# Altium PCB Graviton-EC2-Simplified.PcbDoc (part 8 of 9) (continued)
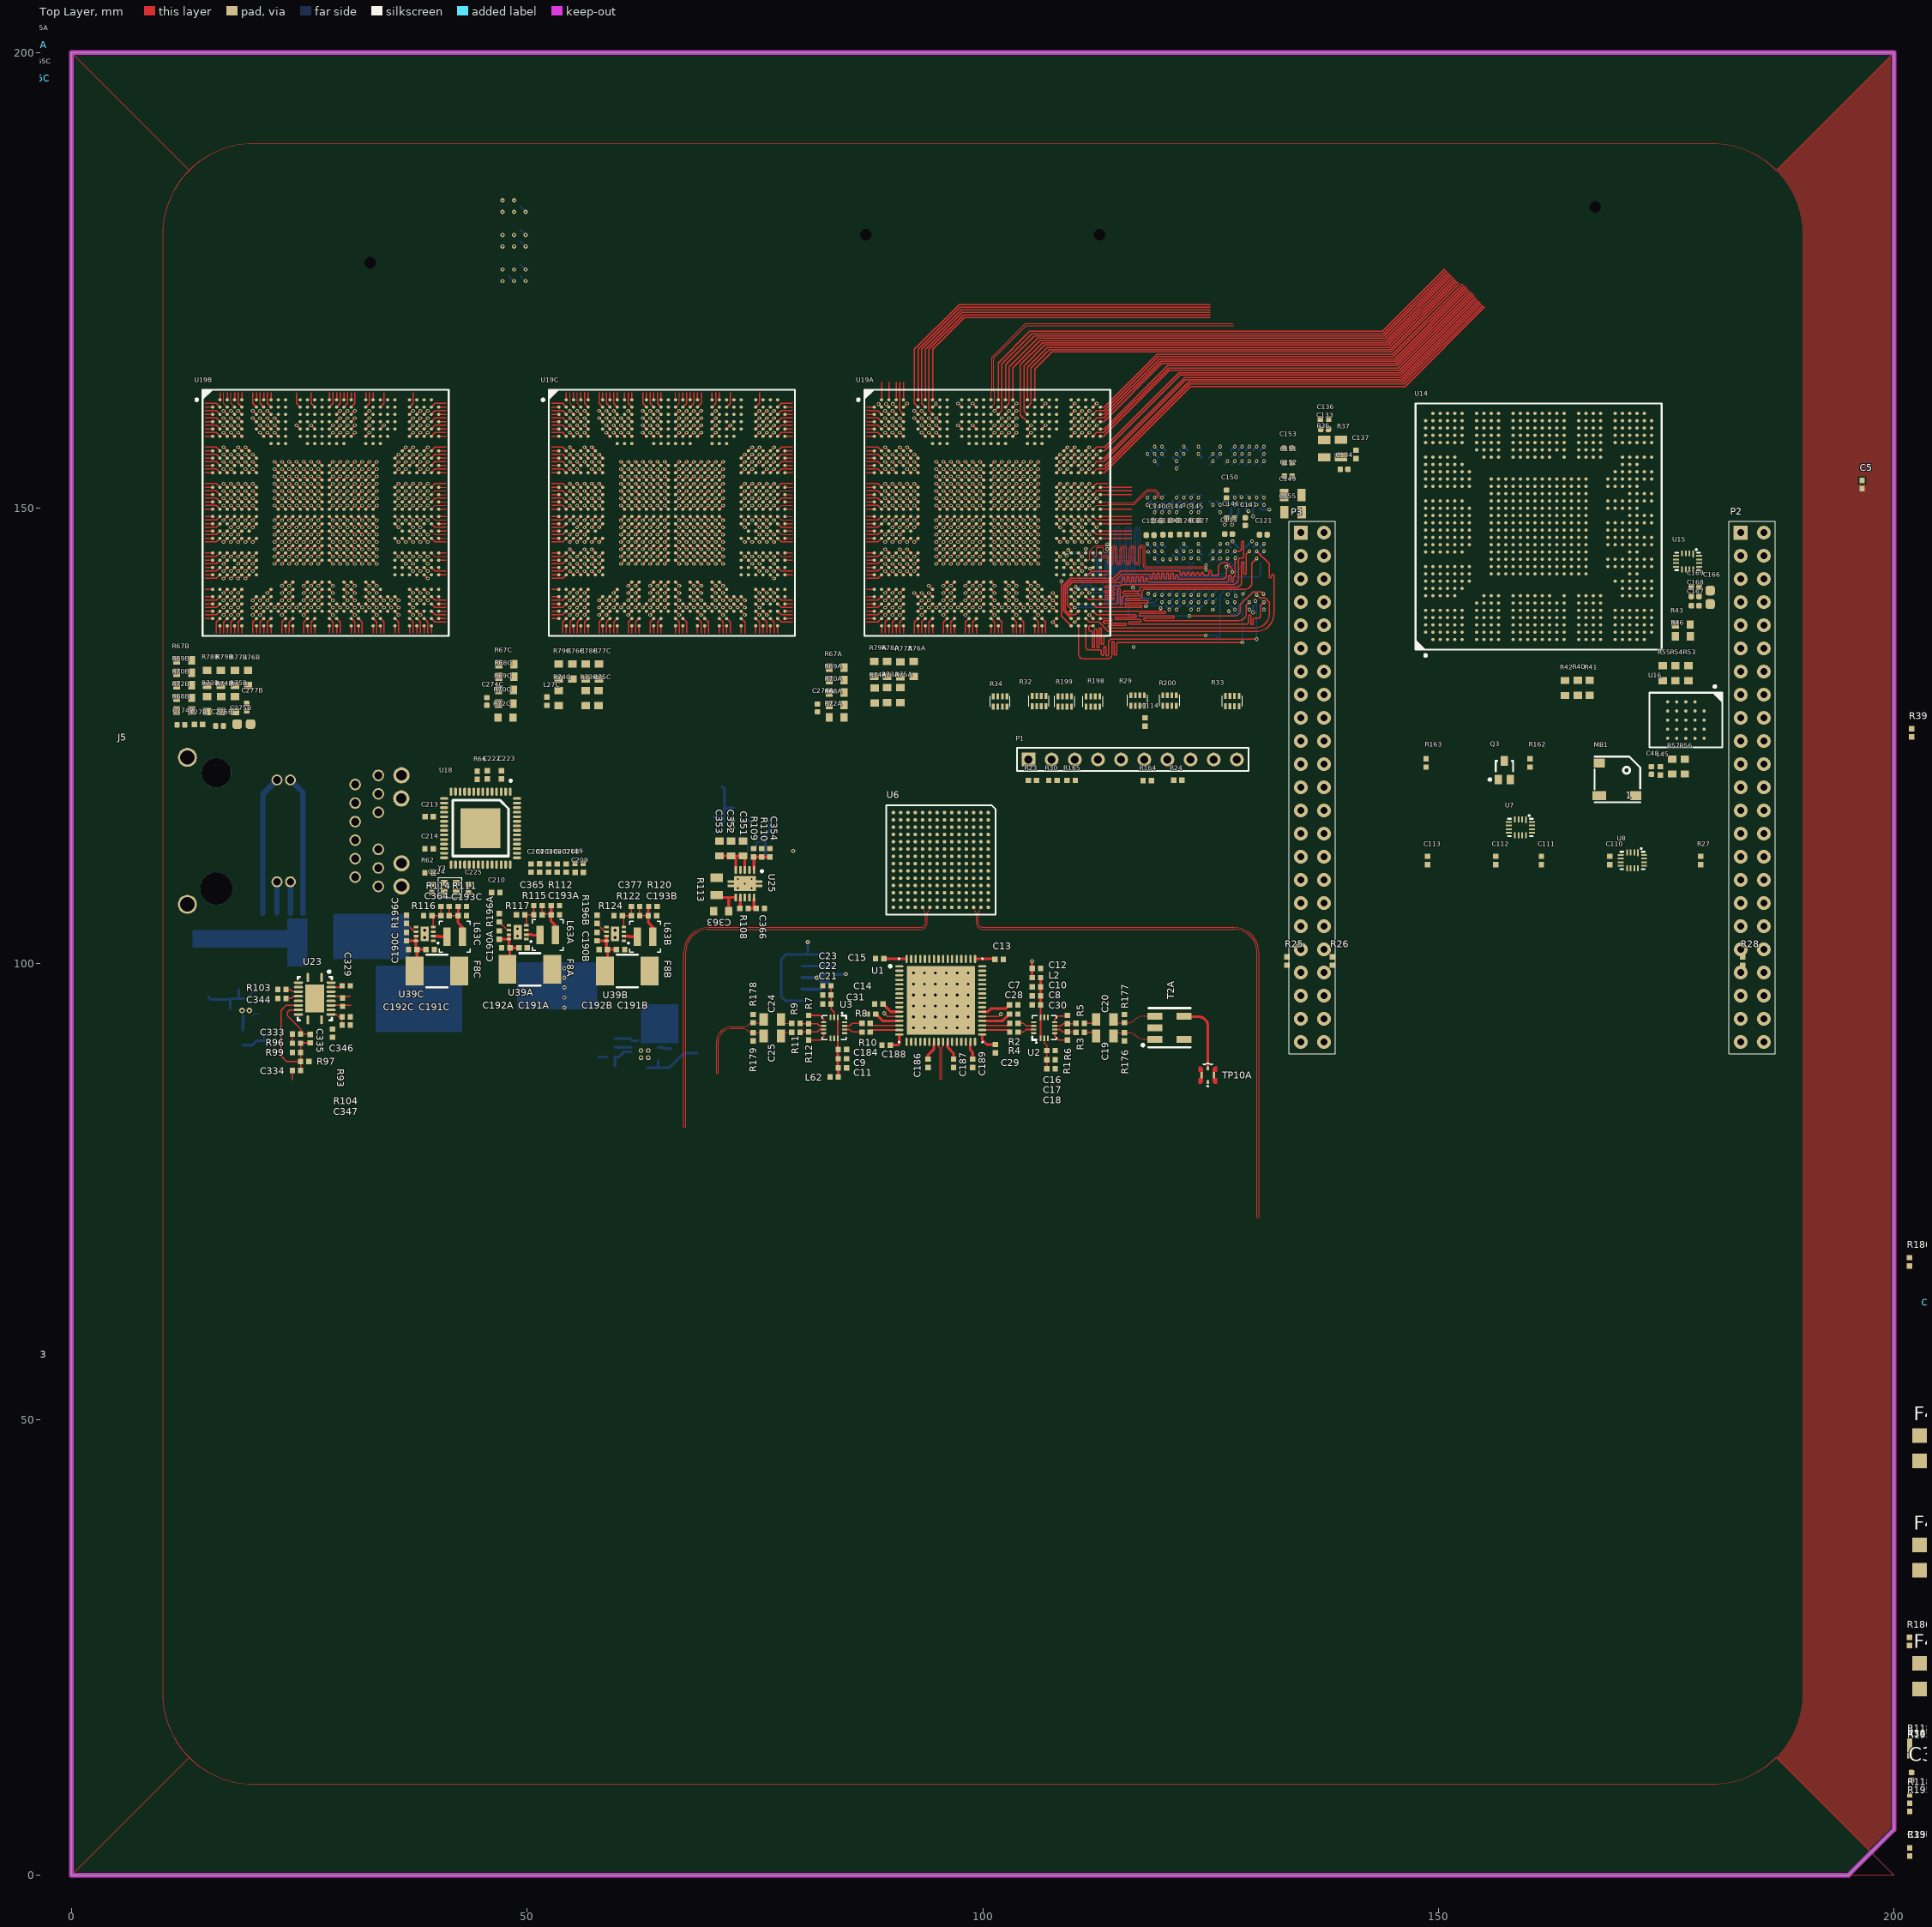
[diagram p0: Top Layer view]
## Nets (pads, with @x,y where several pads share a name; then routed paths per layer and width w, separated by ;. In a path a pad name is that pad's centre, name@x,y a point inside that pad or via, vN(x,y) a via of type N, cw(c..) or ccw(c..) an arc to the next point about the centre after c; other vN are vias at no path point) (continued)
RX2-BANK3-DDRCTRL.ODT: U19B.V26 | length 0.6
  Top Layer w0.127: U19B.V26@35.5,148.3 v1(35.9,147.9)
RX2-BANK3-DDRCTRL.RASN: U19B.Y30 | length 0.6
  Top Layer w0.127: U19B.Y30@38.7,146.7 v1(39.1,146.3)
RX2-BANK3-DDRCTRL.RSTN: U19B.T29 | length 0.6
  Top Layer w0.127: U19B.T29@37.9,149.9 v1(38.3,150.3)
RX2-BANK3-DDRCTRL.WEN: U19B.AE31
RX2-BANK3-DQ32.DQ6_G3: U19B.AD30 | length 0.6
  Top Layer w0.127: U19B.AD30@38.7,143.5 v1(39.1,143.1)
RX2-BANK3-DQ32.DQ7_G3: U19B.AE30 | length 0.6
  Top Layer w0.127: U19B.AE30@38.7,142.7 v1(39.1,142.3)
RX2-BANK3-DQS32.DQM0: U19B.T32 | length 0.8
  Top Layer w0.12: U19B.T32@40.3,149.9 41.115,149.9
RX2-BANK3-DQS32.DQM1: U19B.U32 | length 0.8
  Top Layer w0.12: U19B.U32@40.3,149.1 41.115,149.1
RX2-BANK3-DQS32.DQM2: U19B.V32 | length 0.8
  Top Layer w0.12: U19B.V32@40.3,148.3 41.115,148.3
RX2-BANK3-DQS32.DQM3: U19B.W32 | length 0.8
  Top Layer w0.12: U19B.W32@40.3,147.5 41.115,147.5
RX2-BANK3-DQS32.DQS3_N: U19B.AB31 | length 1.8
  Top Layer w0.076: U19B.AB31@39.5,145.1 39.9,144.7 41.115,144.7
RX2-BANK3-DQS32.DQS3_P: U19B.AC30 | length 0.6
  Top Layer w0.076: U19B.AC30@38.7,144.3 v1(39.1,143.9)
RX2-BANK4-DB3.B0: U19B.AH30 | length 0.6
  Top Layer w0.127: U19B.AH30@38.7,140.3 v1(39.1,139.9)
RX2-BANK4-DB3.B1: U19B.AG30 | length 0.6
  Top Layer w0.127: U19B.AG30@38.7,141.1 v1(39.1,140.7)
RX2-BANK4-DB3.B2: U19B.AK29 | length 0.6
  Top Layer w0.127: U19B.AK29@37.9,138.7 v1(38.3,138.3)
RX2-DDRCC6.S0: U19B.P5 | length 0.6
  Top Layer w0.127: v1(18.3,151.9) U19B.P5@18.7,151.5
RX2-DDRCC6.S1: U19B.P4 | length 0.6
  Top Layer w0.127: v1(17.5,151.9) U19B.P4@17.9,151.5
RX2-DDRCC6.S2: U19B.R7 | length 0.6
  Top Layer w0.127: v1(19.9,151.1) U19B.R7@20.3,150.7
RX2-DDRCC6.S3: U19B.T7 | length 0.6
  Top Layer w0.127: v1(19.9,150.3) U19B.T7@20.3,149.9
RX2-DDRCC6.S4: U19B.R6 | length 0.6
  Top Layer w0.127: v1(19.1,151.1) U19B.R6@19.5,150.7
RX2-DDRCC6.S5: U19B.T6 | length 0.6
  Top Layer w0.127: v1(19.1,150.3) U19B.T6@19.5,149.9
RX2-DDRCC6.S6: U19B.U6 | length 0.6
  Top Layer w0.127: v1(19.1,148.7) U19B.U6@19.5,149.1
RX2-DDRCC6.S7: U19B.U7 | length 0.6
  Top Layer w0.127: v1(19.9,148.7) U19B.U7@20.3,149.1
RX2-DDRCC6.S8: U19B.R4 | length 0.6
  Top Layer w0.127: v1(17.5,151.1) U19B.R4@17.9,150.7
RX2-DDRCC6.S9: U19B.T5 | length 0.6
  Top Layer w0.127: v1(18.3,150.3) U19B.T5@18.7,149.9
RX2-DDRCC6.S10: U19B.T4 | length 0.6
  Top Layer w0.127: v1(17.5,150.3) U19B.T4@17.9,149.9
RX2-DDRCC6.S11: U19B.U5 | length 0.6
  Top Layer w0.127: v1(18.3,148.7) U19B.U5@18.7,149.1
RX2-DDRCC6.S12: U19B.U4 | length 0.6
  Top Layer w0.127: v1(17.5,148.7) U19B.U4@17.9,149.1
RX2-DDRCC6.S13: U19B.V6 | length 0.6
  Top Layer w0.127: v1(19.1,147.9) U19B.V6@19.5,148.3
RX2-DDRCC6.S14: U19B.V7 | length 0.6
  Top Layer w0.127: v1(19.9,147.9) U19B.V7@20.3,148.3
RX2-DDRCC6.S15: U19B.P2 | length 1.8
  Top Layer w0.12: 14.685,151.9 15.9,151.9 U19B.P2@16.3,151.5
RX2-DDRCC6.S16: U19B.P3 | length 0.6
  Top Layer w0.127: v1(16.7,151.9) U19B.P3@17.1,151.5
RX2-DDRCC6.S40: U19B.AB6 | length 0.6
  Top Layer w0.127: v1(19.1,144.7) U19B.AB6@19.5,145.1
RX2-DDRCC6.S41: U19B.AC7 | length 0.6
  Top Layer w0.127: v1(19.9,143.9) U19B.AC7@20.3,144.3
RX2-DDRCC6.S42: U19B.AD7 | length 0.6
  Top Layer w0.127: v1(19.9,143.1) U19B.AD7@20.3,143.5
RX2-DDRCC6.S43: U19B.AD6 | length 0.6
  Top Layer w0.127: v1(19.1,143.1) U19B.AD6@19.5,143.5
RX2-DDRCC6.S44: U19B.AE6 | length 0.6
  Top Layer w0.127: v1(19.1,142.3) U19B.AE6@19.5,142.7
RX2-DDRCC6.S45: U19B.AE5 | length 0.6
  Top Layer w0.127: v1(18.3,142.3) U19B.AE5@18.7,142.7
RX2-DDRCC6.S46: U19B.AE4 | length 0.6
  Top Layer w0.127: v1(17.5,142.3) U19B.AE4@17.9,142.7
RX-SWA: R182A.1
RX-SWB: R182B.1
RXLO0_N: R192.1
RXLO0_P: R191.1
RXLO1_N: R194.1
RXLO1_P: R193.1
SDRCC0.S0B: U19B.A17 | length 0.8
  Top Layer w0.12: U19B.A17@28.3,161.9 28.3,162.715
SDRCC0.S1B: U19B.B17 | length 1.8
  Top Layer w0.12: U19B.B17@28.3,161.1 28.7,161.5 28.7,162.715
SDRCC0.S2B: U19B.A2 | length 0.8
  Top Layer w0.12: U19B.A2@16.3,161.9 16.3,162.715
SDRCC0.S3B: U19B.A3 | length 0.8
  Top Layer w0.12: U19B.A3@17.1,161.9 17.1,162.715
SDRCC0.S4B: U19B.A4 | length 0.8
  Top Layer w0.12: U19B.A4@17.9,161.9 17.9,162.715
SDRCC0.S5B: U19B.A5 | length 0.8
  Top Layer w0.12: U19B.A5@18.7,161.9 18.7,162.715
SDRCC0.S6B: U19B.D7 | length 0.6
  Top Layer w0.127: v1(19.9,159.9) U19B.D7@20.3,159.5
SDRCC0.S7B: U19B.C7 | length 0.6
  Top Layer w0.127: v1(19.9,160.7) U19B.C7@20.3,160.3
SDRCC0.S8B: U19B.B7 | length 1.8
  Top Layer w0.12: 19.9,162.715 19.9,161.5 U19B.B7@20.3,161.1
SDRCC0.S9B: U19B.A7 | length 0.8
  Top Layer w0.12: U19B.A7@20.3,161.9 20.3,162.715
SDRCC0.S10B: U19B.F8 | length 0.6
  Top Layer w0.127: v1(20.7,158.3) U19B.F8@21.1,157.9
SDRCC0.S11B: U19B.E8 | length 0.6
  Top Layer w0.127: v1(20.7,159.1) U19B.E8@21.1,158.7
SDRCC0.S12B: U19B.D8 | length 0.6
  Top Layer w0.127: v1(20.7,159.9) U19B.D8@21.1,159.5
SDRCC0.S13B: U19B.C8 | length 0.6
  Top Layer w0.127: v1(20.7,160.7) U19B.C8@21.1,160.3
SDRCC0.S14B: U19B.B8 | length 1.8
  Top Layer w0.12: 20.7,162.715 20.7,161.5 U19B.B8@21.1,161.1
SDRCC0.S15B: U19B.A8 | length 0.8
  Top Layer w0.12: U19B.A8@21.1,161.9 21.1,162.715
SDRCC0.S16B: U19B.F9 | length 0.6
  Top Layer w0.127: v1(21.5,158.3) U19B.F9@21.9,157.9
SDRCC0.S17B: U19B.D9 | length 0.6
  Top Layer w0.127: v1(21.5,159.9) U19B.D9@21.9,159.5
SDRCC0.S18B: U19B.C9 | length 0.6
  Top Layer w0.127: v1(21.5,160.7) U19B.C9@21.9,160.3
SDRCC0.S19B: U19B.A9 | length 0.8
  Top Layer w0.12: U19B.A9@21.9,161.9 21.9,162.715
SDRCC0.S20B: U19B.F10 | length 0.6
  Top Layer w0.127: v1(22.3,158.3) U19B.F10@22.7,157.9
SDRCC0.S21B: U19B.E10 | length 0.6
  Top Layer w0.127: v1(22.3,159.1) U19B.E10@22.7,158.7
SDRCC0.S22B: U19B.D10 | length 0.6
  Top Layer w0.127: v1(22.3,159.9) U19B.D10@22.7,159.5
SDRCC1.S0C: U19C.E17 | length 0.6
  Top Layer w0.127: U19C.E17@66.3,158.7 v1(66.7,159.1)
SDRCC1.S1C: U19C.F17 | length 0.6
  Top Layer w0.127: U19C.F17@66.3,157.9 v1(66.7,158.3)
SDRCC1.S2C: U19C.A18 | length 0.8
  Top Layer w0.12: U19C.A18@67.1,161.9 67.1,162.715
SDRCC1.S3C: U19C.C18 | length 0.6
  Top Layer w0.127: U19C.C18@67.1,160.3 v1(67.5,160.7)
SDRCC1.S4C: U19C.D18 | length 0.6
  Top Layer w0.127: U19C.D18@67.1,159.5 v1(67.5,159.9)
SDRCC1.S5C: U19C.F18 | length 0.6
  Top Layer w0.127: U19C.F18@67.1,157.9 v1(67.5,158.3)
SDRCC1.S6C: U19C.A19 | length 0.8
  Top Layer w0.12: U19C.A19@67.9,161.9 67.9,162.715
SDRCC1.S7C: U19C.B19 | length 1.8
  Top Layer w0.12: U19C.B19@67.9,161.1 68.3,161.5 68.3,162.715
SDRCC1.S8C: U19C.C19 | length 0.6
  Top Layer w0.127: U19C.C19@67.9,160.3 v1(68.3,160.7)
SDRCC1.S9C: U19C.D19 | length 0.6
  Top Layer w0.127: U19C.D19@67.9,159.5 v1(68.3,159.9)
SDRCC1.S10C: U19C.E19 | length 0.6
  Top Layer w0.127: U19C.E19@67.9,158.7 v1(68.3,159.1)
SDRCC1.S11C: U19C.F19 | length 0.6
  Top Layer w0.127: U19C.F19@67.9,157.9 v1(68.3,158.3)
SDRCC1.S12C: U19C.A20 | length 0.8
  Top Layer w0.12: U19C.A20@68.7,161.9 68.7,162.715
SDRCC1.S13C: U19C.C20 | length 0.6
  Top Layer w0.127: U19C.C20@68.7,160.3 v1(69.1,160.7)
SDRCC1.S14C: U19C.D20 | length 0.6
  Top Layer w0.127: U19C.D20@68.7,159.5 v1(69.1,159.9)
SDRCC1.S15C: U19C.F20 | length 0.6
  Top Layer w0.127: U19C.F20@68.7,157.9 v1(69.1,158.3)
SDRCC1.S16C: U19C.A22 | length 0.8
  Top Layer w0.12: U19C.A22@70.3,161.9 70.3,162.715
SDRCC1.S17C: U19C.B22 | length 1.8
  Top Layer w0.12: U19C.B22@70.3,161.1 70.7,161.5 70.7,162.715
SDRCC1.S18C: U19C.C22 | length 0.6
  Top Layer w0.127: U19C.C22@70.3,160.3 v1(70.7,160.7)
SDRCC1.S19C: U19C.D22 | length 0.6
  Top Layer w0.127: U19C.D22@70.3,159.5 v1(70.7,159.9)
SDRCC1.S20C: U19C.E22 | length 0.6
  Top Layer w0.127: U19C.E22@70.3,158.7 v1(70.7,159.1)
SDRCC1.S21C: U19C.F22 | length 0.6
  Top Layer w0.127: U19C.F22@70.3,157.9 v1(70.7,158.3)
SDRCC1.S22C: U19C.A23 | length 0.8
  Top Layer w0.12: U19C.A23@71.1,161.9 71.1,162.715
SPI1_CS0: P3.28
SPI1_D1: P3.30
SYNTH-CTRL.CE: P3.21
SYNTH-CTRL.CLK: P3.23
SYNTH-CTRL.DATA: P3.25
SYNTH-CTRL.LE: P3.27
SYS_5V: P3.7 P3.8
SYS_RESETN: P3.10
TPSVDD: C345.1 R94.2 U23.10
TRANSMIT: J1.253 P2.5 R185A.2 R185B.2 U19A.T3 U19B.T3 U19C.T3 | length 1.7
  Top Layer w0.127: v1(16.7,150.3) U19B.T3@17.1,149.9 ; v1(54.7,150.3) U19C.T3@55.1,149.9 ; v1(89.3,150.3) U19A.T3@89.7,149.9
TX2-BANK3-DDRCTRL.CASN: U19C.W30 | length 0.6
  Top Layer w0.127: U19C.W30@76.7,147.5 v1(77.1,147.1)
TX2-BANK3-DDRCTRL.CKE: U19C.U28 | length 0.6
  Top Layer w0.127: U19C.U28@75.1,149.1 v1(75.5,148.7)
TX2-BANK3-DDRCTRL.CLK_N: U19C.AC32 | length 0.8
  Top Layer w0.12: U19C.AC32@78.3,144.3 79.115,144.3
TX2-BANK3-DDRCTRL.CLK_P: U19C.AB32 | length 0.8
  Top Layer w0.12: U19C.AB32@78.3,145.1 79.115,145.1
TX2-BANK3-DDRCTRL.CSN: U19C.U29 | length 0.6
  Top Layer w0.127: U19C.U29@75.9,149.1 v1(76.3,148.7)
TX2-BANK3-DDRCTRL.ODT: U19C.V26 | length 0.6
  Top Layer w0.127: U19C.V26@73.5,148.3 v1(73.9,147.9)
TX2-BANK3-DDRCTRL.RASN: U19C.Y30 | length 0.6
  Top Layer w0.127: U19C.Y30@76.7,146.7 v1(77.1,146.3)
TX2-BANK3-DDRCTRL.RSTN: U19C.T29 | length 0.6
  Top Layer w0.127: U19C.T29@75.9,149.9 v1(76.3,150.3)
TX2-BANK3-DDRCTRL.WEN: U19C.AE31
TX2-BANK3-DQS32.DQM2: U19C.V32 | length 0.8
  Top Layer w0.12: U19C.V32@78.3,148.3 79.115,148.3
TX2-BANK3-DQS32.DQM3: U19C.W32 | length 0.8
  Top Layer w0.12: U19C.W32@78.3,147.5 79.115,147.5
TX2-BANK4-DA16.A0: U19C.AM28 | length 0.8
  Top Layer w0.12: 75.1,136.285 U19C.AM28@75.1,137.1
TX2-BANK4-DA16.A1: U19C.AM29 | length 0.8
  Top Layer w0.12: 75.9,136.285 U19C.AM29@75.9,137.1
TX2-BANK4-DA16.A2: U19C.AL28 | length 1.8
  Top Layer w0.12: U19C.AL28@75.1,137.9 75.5,137.5 75.5,136.285
TX2-BANK4-DA16.A3: U19C.AK28 | length 0.6
  Top Layer w0.127: U19C.AK28@75.1,138.7 v1(75.5,138.3)
TX2-BANK4-DA16.A4: U19C.AK32 | length 0.8
  Top Layer w0.12: U19C.AK32@78.3,138.7 79.115,138.7
TX2-BANK4-DA16.A5: U19C.AJ32 | length 0.8
  Top Layer w0.12: U19C.AJ32@78.3,139.5 79.115,139.5
TX2-BANK4-DA16.A6: U19C.AM30 | length 0.8
  Top Layer w0.12: 76.7,136.285 U19C.AM30@76.7,137.1
TX2-BANK4-DA16.A7: U19C.AL30 | length 1.8
  Top Layer w0.12: U19C.AL30@76.7,137.9 77.1,137.5 77.1,136.285
TX2-BANK4-DA16.A8: U19C.AK31 | length 1.8
  Top Layer w0.12: U19C.AK31@77.5,138.7 77.9,138.3 79.115,138.3
TX2-BANK4-DA16.A9: U19C.AJ31 | length 1.8
  Top Layer w0.12: U19C.AJ31@77.5,139.5 77.9,139.1 79.115,139.1
TX2-BANK4-DA16.A10: U19C.AM31 | length 0.8
  Top Layer w0.12: 77.5,136.285 U19C.AM31@77.5,137.1
TX2-BANK4-DA16.A11: U19C.AL32 | length 0.8
  Top Layer w0.12: U19C.AL32@78.3,137.9 79.115,137.9
TX2-BANK4-DA16.A12: U19C.AG28 | length 0.6
  Top Layer w0.127: U19C.AG28@75.1,141.1 v1(75.5,140.7)
TX2-BANK4-DA16.A13: U19C.AG29 | length 0.6
  Top Layer w0.127: U19C.AG29@75.9,141.1 v1(76.3,140.7)
TX2-BANK4-DA16.A14: U19C.AJ28 | length 0.6
  Top Layer w0.127: U19C.AJ28@75.1,139.5 v1(75.5,139.1)
TX2-BANK4-DA16.A15: U19C.AH28 | length 0.6
  Top Layer w0.127: U19C.AH28@75.1,140.3 v1(75.5,139.9)
TX2-BANK4-DB3.B0: U19C.AH30 | length 0.6
  Top Layer w0.127: U19C.AH30@76.7,140.3 v1(77.1,139.9)
TX2-BANK4-DB3.B1: U19C.AG30 | length 0.6
  Top Layer w0.127: U19C.AG30@76.7,141.1 v1(77.1,140.7)
TX2-BANK4-DB3.B2: U19C.AK29 | length 0.6
  Top Layer w0.127: U19C.AK29@75.9,138.7 v1(76.3,138.3)
TX2-DDRCC6.S0: U19C.P5 | length 0.6
  Top Layer w0.127: v1(56.3,151.9) U19C.P5@56.7,151.5
TX2-DDRCC6.S1: U19C.P4 | length 0.6
  Top Layer w0.127: v1(55.5,151.9) U19C.P4@55.9,151.5
TX2-DDRCC6.S2: U19C.R7 | length 0.6
  Top Layer w0.127: v1(57.9,151.1) U19C.R7@58.3,150.7
TX2-DDRCC6.S3: U19C.T7 | length 0.6
  Top Layer w0.127: v1(57.9,150.3) U19C.T7@58.3,149.9
TX2-DDRCC6.S4: U19C.R6 | length 0.6
  Top Layer w0.127: v1(57.1,151.1) U19C.R6@57.5,150.7
TX2-DDRCC6.S5: U19C.T6 | length 0.6
  Top Layer w0.127: v1(57.1,150.3) U19C.T6@57.5,149.9
TX2-DDRCC6.S6: U19C.U6 | length 0.6
  Top Layer w0.127: v1(57.1,148.7) U19C.U6@57.5,149.1
TX2-DDRCC6.S7: U19C.U7 | length 0.6
  Top Layer w0.127: v1(57.9,148.7) U19C.U7@58.3,149.1
TX2-DDRCC6.S8: U19C.R4 | length 0.6
  Top Layer w0.127: v1(55.5,151.1) U19C.R4@55.9,150.7
TX2-DDRCC6.S9: U19C.T5 | length 0.6
  Top Layer w0.127: v1(56.3,150.3) U19C.T5@56.7,149.9
TX2-DDRCC6.S10: U19C.T4 | length 0.6
  Top Layer w0.127: v1(55.5,150.3) U19C.T4@55.9,149.9
TX2-DDRCC6.S11: U19C.U5 | length 0.6
  Top Layer w0.127: v1(56.3,148.7) U19C.U5@56.7,149.1
TX2-DDRCC6.S12: U19C.U4 | length 0.6
  Top Layer w0.127: v1(55.5,148.7) U19C.U4@55.9,149.1
TX2-DDRCC6.S13: U19C.V6 | length 0.6
  Top Layer w0.127: v1(57.1,147.9) U19C.V6@57.5,148.3
TX2-DDRCC6.S14: U19C.V7 | length 0.6
  Top Layer w0.127: v1(57.9,147.9) U19C.V7@58.3,148.3
TX2-DDRCC6.S15: U19C.P2 | length 1.8
  Top Layer w0.12: 52.685,151.9 53.9,151.9 U19C.P2@54.3,151.5
TX2-DDRCC6.S16: U19C.P3 | length 0.6
  Top Layer w0.127: v1(54.7,151.9) U19C.P3@55.1,151.5
TX2-DDRCC6.S40: U19C.AB6 | length 0.6
  Top Layer w0.127: v1(57.1,145.5) U19C.AB6@57.5,145.1
TX2-DDRCC6.S41: U19C.AC7 | length 0.6
  Top Layer w0.127: v1(57.9,143.9) U19C.AC7@58.3,144.3
TX2-DDRCC6.S42: U19C.AD7 | length 0.6
  Top Layer w0.127: v1(57.9,143.1) U19C.AD7@58.3,143.5
TX2-DDRCC6.S43: U19C.AD6 | length 0.6
  Top Layer w0.127: v1(57.1,143.9) U19C.AD6@57.5,143.5
TX2-DDRCC6.S44: U19C.AE6 | length 0.6
  Top Layer w0.127: v1(57.1,143.1) U19C.AE6@57.5,142.7
TX2-DDRCC6.S45: U19C.AE5 | length 0.6
  Top Layer w0.127: v1(56.3,143.1) U19C.AE5@56.7,142.7
TX2-DDRCC6.S46: U19C.AE4 | length 0.6
  Top Layer w0.127: v1(55.5,143.1) U19C.AE4@55.9,142.7
TX-SWA: R186A.1
TX-SWB: R186B.1
TXBBICA_N: 
TXBBICA_P: 
TXBBICB_N: 
TXBBICB_P: 
TXLO0_N: R188.1
TXLO0_P: R143.1
TXLO1_N: R189.1
TXLO1_P: R190.1
TXLOICA_N: 
TXLOICA_P: 
TXLOICB_N: 
TXLOICB_P: 
TXPA-INA: 
TXPA-INB: 
TXPA-INC: 
TXPA-IND: 
UART0-RX: P2.18
UART0-TX: P2.17
V0V75: U19A.J7 U19B.J7 U19C.J7 | length 1.7
  Top Layer w0.127: v1(19.9,155.9) U19B.J7@20.3,155.5 ; v1(57.9,155.9) U19C.J7@58.3,155.5 ; v1(92.5,155.9) U19A.J7@92.9,155.5
VCC-CORE: C172.2 C173.2 C174.2 C175.2 C176.2 C177.2 C178.2 C179.2 C180.2 C181.2 C182.2 C183.2 L18.2 U14.AA12 U14.AA13 U14.AA14 U14.AA15 U14.AA16 U14.AA17 U14.AA18 U14.AA19 U14.AA20 U14.AA21 U14.M12 U14.M13 U14.M14 U14.M15 U14.M16 U14.M17 U14.M18 U14.M19 U14.M20 U14.M21 U14.N12 U14.N21 U14.P12 U14.P21 U14.R12 U14.R21 U14.T12 U14.T21 U14.U12 U14.U21 U14.V12 U14.V21 U14.W12 U14.W21 U14.Y12 U14.Y21
VCC-COREA: C279A.2 C284A.2 C285A.2 C286A.2 C287A.2 C288A.2 C289A.2 C290A.2 C291A.2 C292A.2 C293A.2 C294A.2 L28A.2 U19A.AA12 U19A.AA13 U19A.AA14 U19A.AA15 U19A.AA16 U19A.AA17 U19A.AA18 U19A.AA19 U19A.AA20 U19A.AA21 U19A.M12 U19A.M13 U19A.M14 U19A.M15 U19A.M16 U19A.M17 U19A.M18 U19A.M19 U19A.M20 U19A.M21 U19A.N12 U19A.N21 U19A.P12 U19A.P21 U19A.R12 U19A.R21 U19A.T12 U19A.T21 U19A.U12 U19A.U21 U19A.V12 U19A.V21 U19A.W12 U19A.W21 U19A.Y12 U19A.Y21 | length 20.4
  Top Layer w0.127: v1(96.5,145.5) U19A.AA12@96.9,145.9 ; v1(96.5,146.3) U19A.Y12@96.9,146.7 ; v1(96.5,147.1) U19A.W12@96.9,147.5 ; v1(96.5,147.9) U19A.V12@96.9,148.3 ; v1(96.5,148.7) U19A.U12@96.9,149.1 ; v1(96.5,150.3) U19A.T12@96.9,149.9 ; v1(96.5,151.1) U19A.R12@96.9,150.7 ; v1(96.5,151.9) U19A.P12@96.9,151.5 ; v1(96.5,152.7) U19A.N12@96.9,152.3 ; v1(96.5,153.5) U19A.M12@96.9,153.1 ; v1(97.3,145.5) U19A.AA13@97.7,145.9 ; v1(97.3,153.5) U19A.M13@97.7,153.1 ; v1(98.1,145.5) U19A.AA14@98.5,145.9 ; v1(98.1,153.5) U19A.M14@98.5,153.1 ; v1(98.9,145.5) U19A.AA15@99.3,145.9 ; v1(98.9,153.5) U19A.M15@99.3,153.1 ; v1(99.7,145.5) U19A.AA16@100.1,145.9 ; v1(99.7,153.5) U19A.M16@100.1,153.1 ; U19A.AA17@100.9,145.9 v1(101.3,145.5) ; U19A.M17@100.9,153.1 v1(101.3,153.5) ; U19A.AA18@101.7,145.9 v1(102.1,145.5) ; U19A.M18@101.7,153.1 v1(102.1,153.5) ; U19A.AA19@102.5,145.9 v1(102.9,145.5) ; U19A.M19@102.5,153.1 v1(102.9,153.5) ; U19A.AA20@103.3,145.9 v1(103.7,145.5) ; U19A.M20@103.3,153.1 v1(103.7,153.5) ; U19A.AA21@104.1,145.9 v1(104.5,145.5) ; U19A.Y21@104.1,146.7 v1(104.5,146.3) ; U19A.W21@104.1,147.5 v1(104.5,147.1) ; U19A.V21@104.1,148.3 v1(104.5,147.9) ; U19A.U21@104.1,149.1 v1(104.5,148.7) ; U19A.T21@104.1,149.9 v1(104.5,150.3) ; U19A.R21@104.1,150.7 v1(104.5,151.1) ; U19A.P21@104.1,151.5 v1(104.5,151.9) ; U19A.N21@104.1,152.3 v1(104.5,152.7) ; U19A.M21@104.1,153.1 v1(104.5,153.5)
VCC-COREB: C279B.2 C284B.2 C285B.2 C286B.2 C287B.2 C288B.2 C289B.2 C290B.2 C291B.2 C292B.2 C293B.2 C294B.2 L28B.2 U19B.AA12 U19B.AA13 U19B.AA14 U19B.AA15 U19B.AA16 U19B.AA17 U19B.AA18 U19B.AA19 U19B.AA20 U19B.AA21 U19B.M12 U19B.M13 U19B.M14 U19B.M15 U19B.M16 U19B.M17 U19B.M18 U19B.M19 U19B.M20 U19B.M21 U19B.N12 U19B.N21 U19B.P12 U19B.P21 U19B.R12 U19B.R21 U19B.T12 U19B.T21 U19B.U12 U19B.U21 U19B.V12 U19B.V21 U19B.W12 U19B.W21 U19B.Y12 U19B.Y21 | length 20.4
  Top Layer w0.254: v1(23.9,145.5) U19B.AA12@24.3,145.9 ; v1(23.9,146.3) U19B.Y12@24.3,146.7 ; v1(23.9,147.1) U19B.W12@24.3,147.5 ; v1(23.9,147.9) U19B.V12@24.3,148.3 ; v1(23.9,148.7) U19B.U12@24.3,149.1 ; v1(23.9,150.3) U19B.T12@24.3,149.9 ; v1(23.9,151.1) U19B.R12@24.3,150.7 ; v1(23.9,151.9) U19B.P12@24.3,151.5 ; v1(23.9,152.7) U19B.N12@24.3,152.3 ; v1(23.9,153.5) U19B.M12@24.3,153.1 ; v1(24.7,145.5) U19B.AA13@25.1,145.9 ; v1(24.7,153.5) U19B.M13@25.1,153.1 ; v1(25.5,145.5) U19B.AA14@25.9,145.9 ; v1(25.5,153.5) U19B.M14@25.9,153.1 ; v1(26.3,145.5) U19B.AA15@26.7,145.9 ; v1(26.3,153.5) U19B.M15@26.7,153.1 ; v1(27.1,145.5) U19B.AA16@27.5,145.9 ; v1(27.1,153.5) U19B.M16@27.5,153.1 ; U19B.AA17@28.3,145.9 v1(28.7,145.5) ; U19B.M17@28.3,153.1 v1(28.7,153.5) ; U19B.AA18@29.1,145.9 v1(29.5,145.5) ; U19B.M18@29.1,153.1 v1(29.5,153.5) ; U19B.AA19@29.9,145.9 v1(30.3,145.5) ; U19B.M19@29.9,153.1 v1(30.3,153.5) ; U19B.AA20@30.7,145.9 v1(31.1,145.5) ; U19B.M20@30.7,153.1 v1(31.1,153.5) ; U19B.AA21@31.5,145.9 v1(31.9,145.5) ; U19B.Y21@31.5,146.7 v1(31.9,146.3) ; U19B.W21@31.5,147.5 v1(31.9,147.1) ; U19B.V21@31.5,148.3 v1(31.9,147.9) ; U19B.U21@31.5,149.1 v1(31.9,148.7) ; U19B.T21@31.5,149.9 v1(31.9,150.3) ; U19B.R21@31.5,150.7 v1(31.9,151.1) ; U19B.P21@31.5,151.5 v1(31.9,151.9) ; U19B.N21@31.5,152.3 v1(31.9,152.7) ; U19B.M21@31.5,153.1 v1(31.9,153.5)
VCC-COREC: C279C.2 C284C.2 C285C.2 C286C.2 C287C.2 C288C.2 C289C.2 C290C.2 C291C.2 C292C.2 C293C.2 C294C.2 L28C.2 U19C.AA12 U19C.AA13 U19C.AA14 U19C.AA15 U19C.AA16 U19C.AA17 U19C.AA18 U19C.AA19 U19C.AA20 U19C.AA21 U19C.M12 U19C.M13 U19C.M14 U19C.M15 U19C.M16 U19C.M17 U19C.M18 U19C.M19 U19C.M20 U19C.M21 U19C.N12 U19C.N21 U19C.P12 U19C.P21 U19C.R12 U19C.R21 U19C.T12 U19C.T21 U19C.U12 U19C.U21 U19C.V12 U19C.V21 U19C.W12 U19C.W21 U19C.Y12 U19C.Y21 | length 20.4
  Top Layer w0.254: v1(61.9,145.5) U19C.AA12@62.3,145.9 ; v1(61.9,146.3) U19C.Y12@62.3,146.7 ; v1(61.9,147.1) U19C.W12@62.3,147.5 ; v1(61.9,147.9) U19C.V12@62.3,148.3 ; v1(61.9,148.7) U19C.U12@62.3,149.1 ; v1(61.9,150.3) U19C.T12@62.3,149.9 ; v1(61.9,151.1) U19C.R12@62.3,150.7 ; v1(61.9,151.9) U19C.P12@62.3,151.5 ; v1(61.9,152.7) U19C.N12@62.3,152.3 ; v1(61.9,153.5) U19C.M12@62.3,153.1 ; v1(62.7,145.5) U19C.AA13@63.1,145.9 ; v1(62.7,153.5) U19C.M13@63.1,153.1 ; v1(63.5,145.5) U19C.AA14@63.9,145.9 ; v1(63.5,153.5) U19C.M14@63.9,153.1 ; v1(64.3,145.5) U19C.AA15@64.7,145.9 ; v1(64.3,153.5) U19C.M15@64.7,153.1 ; v1(65.1,145.5) U19C.AA16@65.5,145.9 ; v1(65.1,153.5) U19C.M16@65.5,153.1 ; U19C.AA17@66.3,145.9 v1(66.7,145.5) ; U19C.M17@66.3,153.1 v1(66.7,153.5) ; U19C.AA18@67.1,145.9 v1(67.5,145.5) ; U19C.M18@67.1,153.1 v1(67.5,153.5) ; U19C.AA19@67.9,145.9 v1(68.3,145.5) ; U19C.M19@67.9,153.1 v1(68.3,153.5) ; U19C.AA20@68.7,145.9 v1(69.1,145.5) ; U19C.M20@68.7,153.1 v1(69.1,153.5) ; U19C.AA21@69.5,145.9 v1(69.9,145.5) ; U19C.Y21@69.5,146.7 v1(69.9,146.3) ; U19C.W21@69.5,147.5 v1(69.9,147.1) ; U19C.V21@69.5,148.3 v1(69.9,147.9) ; U19C.U21@69.5,149.1 v1(69.9,148.7) ; U19C.T21@69.5,149.9 v1(69.9,150.3) ; U19C.R21@69.5,150.7 v1(69.9,151.1) ; U19C.P21@69.5,151.5 v1(69.9,151.9) ; U19C.N21@69.5,152.3 v1(69.9,152.7) ; U19C.M21@69.5,153.1 v1(69.9,153.5)
VCCIO0A: C227A.2 C228A.2 C229A.2 C230A.2 C231A.2 L20A.1 U19A.K12 U19A.K14 U19A.K15 U19A.K16 | length 2.3
  Top Layer w0.127: v1(96.5,155.1) U19A.K12@96.9,154.7 ; v1(98.1,155.1) U19A.K14@98.5,154.7 ; v1(98.9,155.1) U19A.K15@99.3,154.7 ; v1(99.7,155.1) U19A.K16@100.1,154.7
VCCIO0B: C227B.2 C228B.2 C229B.2 C230B.2 C231B.2 L20B.1 U19B.K12 U19B.K14 U19B.K15 U19B.K16 | length 2.3
  Top Layer w0.127: v1(23.9,155.1) U19B.K12@24.3,154.7 ; v1(25.5,155.1) U19B.K14@25.9,154.7 ; v1(26.3,155.1) U19B.K15@26.7,154.7 ; v1(27.1,155.1) U19B.K16@27.5,154.7
VCCIO0C: C227C.2 C228C.2 C229C.2 C230C.2 C231C.2 L20C.1 U19C.K12 U19C.K14 U19C.K15 U19C.K16 | length 2.3
  Top Layer w0.127: v1(61.9,155.1) U19C.K12@62.3,154.7 ; v1(63.5,155.1) U19C.K14@63.9,154.7 ; v1(64.3,155.1) U19C.K15@64.7,154.7 ; v1(65.1,155.1) U19C.K16@65.5,154.7
VCCIO1A: C233A.2 C234A.2 C235A.2 C236A.2 C237A.2 L21A.1 U19A.K17 U19A.K18 U19A.K19 U19A.K21 | length 2.3
  Top Layer w0.127: U19A.K17@100.9,154.7 v1(101.3,155.1) ; U19A.K18@101.7,154.7 v1(102.1,155.1) ; U19A.K19@102.5,154.7 v1(102.9,155.1) ; U19A.K21@104.1,154.7 v1(104.5,155.1)
VCCIO1B: C233B.2 C234B.2 C235B.2 C236B.2 C237B.2 L21B.1 U19B.K17 U19B.K18 U19B.K19 U19B.K21 | length 2.3
  Top Layer w0.127: U19B.K17@28.3,154.7 v1(28.7,155.1) ; U19B.K18@29.1,154.7 v1(29.5,155.1) ; U19B.K19@29.9,154.7 v1(30.3,155.1) ; U19B.K21@31.5,154.7 v1(31.9,155.1)
VCCIO1C: C233C.2 C234C.2 C235C.2 C236C.2 C237C.2 L21C.1 U19C.K17 U19C.K18 U19C.K19 U19C.K21 | length 2.3
  Top Layer w0.127: U19C.K17@66.3,154.7 v1(66.7,155.1) ; U19C.K18@67.1,154.7 v1(67.5,155.1) ; U19C.K19@67.9,154.7 v1(68.3,155.1) ; U19C.K21@69.5,154.7 v1(69.9,155.1)
VCCIO2: C161.2 C162.2 C163.2 C164.2 C165.2 L17.1 U14.M23 U14.P23 U14.R23 U14.T23
VCCIO2A: C239A.2 C240A.2 C241A.2 C242A.2 C243A.2 L22A.1 U19A.M23 U19A.P23 U19A.R23 U19A.T23 | length 2.3
  Top Layer w0.127: U19A.T23@105.7,149.9 v1(106.1,150.3) ; U19A.R23@105.7,150.7 v1(106.1,151.1) ; U19A.P23@105.7,151.5 v1(106.1,151.9) ; U19A.M23@105.7,153.1 v1(106.1,153.5)
VCCIO2B: C239B.2 C240B.2 C241B.2 C242B.2 C243B.2 L22B.1 U19B.M23 U19B.P23 U19B.R23 U19B.T23 | length 2.3
  Top Layer w0.127: U19B.T23@33.1,149.9 v1(33.5,150.3) ; U19B.R23@33.1,150.7 v1(33.5,151.1) ; U19B.P23@33.1,151.5 v1(33.5,151.9) ; U19B.M23@33.1,153.1 v1(33.5,153.5)
VCCIO2C: C239C.2 C240C.2 C241C.2 C242C.2 C243C.2 L22C.1 U19C.M23 U19C.P23 U19C.R23 U19C.T23 | length 2.3
  Top Layer w0.127: U19C.T23@71.1,149.9 v1(71.5,150.3) ; U19C.R23@71.1,150.7 v1(71.5,151.1) ; U19C.P23@71.1,151.5 v1(71.5,151.9) ; U19C.M23@71.1,153.1 v1(71.5,153.5)
VCCIO3A: C247A.2 C248A.2 C249A.2 C250A.2 C251A.2 L23A.1 U19A.AA23 U19A.U23 U19A.V23 U19A.W23 | length 2.3
  Top Layer w0.127: U19A.AA23@105.7,145.9 v1(106.1,145.5) ; U19A.W23@105.7,147.5 v1(106.1,147.1) ; U19A.V23@105.7,148.3 v1(106.1,147.9) ; U19A.U23@105.7,149.1 v1(106.1,148.7)
VCCIO3B: C247B.2 C248B.2 C249B.2 C250B.2 C251B.2 L23B.1 U19B.AA23 U19B.U23 U19B.V23 U19B.W23 | length 2.3
  Top Layer w0.127: U19B.AA23@33.1,145.9 v1(33.5,145.5) ; U19B.W23@33.1,147.5 v1(33.5,147.1) ; U19B.V23@33.1,148.3 v1(33.5,147.9) ; U19B.U23@33.1,149.1 v1(33.5,148.7)
VCCIO3C: C247C.2 C248C.2 C249C.2 C250C.2 C251C.2 L23C.1 U19C.AA23 U19C.U23 U19C.V23 U19C.W23 | length 2.3
  Top Layer w0.127: U19C.AA23@71.1,145.9 v1(71.5,145.5) ; U19C.W23@71.1,147.5 v1(71.5,147.1) ; U19C.V23@71.1,148.3 v1(71.5,147.9) ; U19C.U23@71.1,149.1 v1(71.5,148.7)
VCCIO4A: C255A.2 C256A.2 C257A.2 L24A.1 U19A.AB23 U19A.AC23 | length 1.1
  Top Layer w0.127: U19A.AC23@105.7,144.3 v1(106.1,143.9) ; U19A.AB23@105.7,145.1 v1(106.1,144.7)
VCCIO4B: C255B.2 C256B.2 C257B.2 L24B.1 U19B.AB23 U19B.AC23 | length 1.1
  Top Layer w0.127: U19B.AC23@33.1,144.3 v1(33.5,143.9) ; U19B.AB23@33.1,145.1 v1(33.5,144.7)
VCCIO4C: C255C.2 C256C.2 C257C.2 L24C.1 U19C.AB23 U19C.AC23 | length 1.1
  Top Layer w0.127: U19C.AC23@71.1,144.3 v1(71.5,143.9) ; U19C.AB23@71.1,145.1 v1(71.5,144.7)
VCCIO6A: C259A.2 C260A.2 C261A.2 C262A.2 C263A.2 L25A.1 U19A.AA10 U19A.U10 U19A.V10 U19A.W10 | length 2.3
  Top Layer w0.127: v1(94.9,145.5) U19A.AA10@95.3,145.9 ; v1(94.9,147.1) U19A.W10@95.3,147.5 ; v1(94.9,147.9) U19A.V10@95.3,148.3 ; v1(94.9,148.7) U19A.U10@95.3,149.1
VCCIO6B: C259B.2 C260B.2 C261B.2 C262B.2 C263B.2 L25B.1 U19B.AA10 U19B.U10 U19B.V10 U19B.W10 | length 2.3
  Top Layer w0.127: v1(22.3,145.5) U19B.AA10@22.7,145.9 ; v1(22.3,147.1) U19B.W10@22.7,147.5 ; v1(22.3,147.9) U19B.V10@22.7,148.3 ; v1(22.3,148.7) U19B.U10@22.7,149.1
VCCIO6C: C259C.2 C260C.2 C261C.2 C262C.2 C263C.2 L25C.1 U19C.AA10 U19C.U10 U19C.V10 U19C.W10 | length 2.3
  Top Layer w0.127: v1(60.3,145.5) U19C.AA10@60.7,145.9 ; v1(60.3,147.1) U19C.W10@60.7,147.5 ; v1(60.3,147.9) U19C.V10@60.7,148.3 ; v1(60.3,148.7) U19C.U10@60.7,149.1
VCCIO7A: C267A.2 C268A.2 C269A.2 C270A.2 C271A.2 L26A.1 U19A.M10 U19A.P10 U19A.R10 U19A.T10 | length 2.3
  Top Layer w0.127: v1(94.9,150.3) U19A.T10@95.3,149.9 ; v1(94.9,151.1) U19A.R10@95.3,150.7 ; v1(94.9,151.9) U19A.P10@95.3,151.5 ; v1(94.9,153.5) U19A.M10@95.3,153.1
VCCIO7B: C267B.2 C268B.2 C269B.2 C270B.2 C271B.2 L26B.1 U19B.M10 U19B.P10 U19B.R10 U19B.T10 | length 2.3
  Top Layer w0.127: v1(22.3,150.3) U19B.T10@22.7,149.9 ; v1(22.3,151.1) U19B.R10@22.7,150.7 ; v1(22.3,151.9) U19B.P10@22.7,151.5 ; v1(22.3,153.5) U19B.M10@22.7,153.1
VCCIO7C: C267C.2 C268C.2 C269C.2 C270C.2 C271C.2 L26C.1 U19C.M10 U19C.P10 U19C.R10 U19C.T10 | length 2.3
  Top Layer w0.127: v1(60.3,150.3) U19C.T10@60.7,149.9 ; v1(60.3,151.1) U19C.R10@60.7,150.7 ; v1(60.3,151.9) U19C.P10@60.7,151.5 ; v1(60.3,153.5) U19C.M10@60.7,153.1
VCCIO8: C166.2 C167.2 C168.2 C169.2 C370.2 F2.1 L45.2 R40.2 R41.2 R42.2 R44.2 R45.2 R46.2 R47.2 R48.2 R49.2 R53.2 R54.2 R55.2 R56.2 R57.2 U14.AB10 U14.AC10 U15.13 U16.B4 U22.13
VCCIO8A: C275A.2 C276A.2 C277A.2 F4A.1 L27A.1 R73A.2 R74A.2 R75A.2 U19A.AB10 U19A.AC10 | length 1.1
  Top Layer w0.127: v1(94.9,143.9) U19A.AC10@95.3,144.3 ; v1(94.9,144.7) U19A.AB10@95.3,145.1
VCCIO8B: C275B.2 C276B.2 C277B.2 F4B.1 L27B.1 R73B.2 R74B.2 R75B.2 U19B.AB10 U19B.AC10 | length 1.1
  Top Layer w0.127: v1(22.3,143.9) U19B.AC10@22.7,144.3 ; v1(22.3,144.7) U19B.AB10@22.7,145.1
VCCIO8C: C275C.2 C276C.2 C277C.2 F4C.1 L27C.1 R73C.2 R74C.2 R75C.2 U19C.AB10 U19C.AC10 | length 1.1
  Top Layer w0.127: v1(60.3,143.9) U19C.AC10@60.7,144.3 ; v1(60.3,144.7) U19C.AB10@60.7,145.1
VCXO-CTRL: 
VDD-DSAA: 
VDD-DSAB: 
VDD-DSAC: 
VDD-DSAD: 
VDD-LNAA: C384A.2 C385A.2 C386A.2 C387A.2 U31A.B2
VDD-LNAB: C384B.2 C385B.2 C386B.2 C387B.2 U31B.B2
VDD-LNAC: C384C.2 C385C.2 C386C.2 C387C.2 U31C.B2
VDD-LNAD: C384D.2 C385D.2 C386D.2 C387D.2 U31D.B2
VDD_ADC: P3.32
VIN48V: C321.2 C322.2 C323.2 F1.1 R98.2 R158.1 R159.1 | length 1.4
  Bottom Layer w0.6: R158.1@24,104.645 24.7,104.645 R159.1@25.4,104.645
VREF-CM-ADC: C16.2 C17.2 C18.2 C21.2 C22.2 C23.2 U1.27 U2.2 U3.2 | length 7.1
  Top Layer w0.152: C23.2@83.355,97.6 C22.2@83.355,96.6 C21.2@83.355,95.6 83.355,95.045 83.7,94.7 U3.2@83.7,94.15 ; U2.2@106.75,91.85 106.75,91.35 107.045,91.055 C16.2@107.045,90.5 C17.2@107.045,89.5 C18.2@107.045,88.5
VREF-IO2A: C244A.2 C244B.2 C244C.2 C245A.2 C245B.2 C245C.2 C252A.2 C253A.2 C272A.2 C272B.2 C272C.2 C273A.2 C273B.2 C273C.2 C351.2 C352.2 C353.2 R37.2 U19A.J26 U19A.V29 U19B.J26 U19C.J26 U25.3 U25.5 | length 7.8
  Top Layer w0.127: U19B.J26@35.5,155.5 v1(35.9,155.9) ; U19C.J26@73.5,155.5 v1(73.9,155.9) ; U19A.J26@108.1,155.5 v1(108.5,155.9) ; U19A.V29@110.5,148.3 v1(110.9,147.9)
  Top Layer w0.3: C353.2@71.1,111.853 C352.2@72.4,111.853 C351.2@73.7,111.853 73.9,111.653 U25.3@73.9,110.4 ; U25.5@72.9,110.4 72.9,111.753
VREF-IO3B: C252B.2 C253B.2 U19B.V29 | length 0.6
  Top Layer w0.127: U19B.V29@37.9,148.3 v1(38.3,147.9)
VREF-IO3C: C252C.2 C253C.2 U19C.V29 | length 0.6
  Top Layer w0.127: U19C.V29@75.9,148.3 v1(76.3,147.9)
VREF-IO5A: U19A.V4 | length 0.6
  Top Layer w0.127: v1(90.1,147.9) U19A.V4@90.5,148.3
VREF-IO5B: U19B.V4 | length 0.6
  Top Layer w0.127: v1(17.5,147.9) U19B.V4@17.9,148.3
VREF-IO5C: U19C.V4 | length 0.6
  Top Layer w0.127: v1(55.5,147.9) U19C.V4@55.9,148.3
VREF-IO6A: C264A.2 C265A.2
VREF-IO6B: C264B.2 C265B.2
VREF-IO6C: C264C.2 C265C.2
VSS-DSAA: 
VSS-DSAB: 
VSS-DSAC: 
VSS-DSAD: 
VXO_N: 
VXO_P: 
XTAL-IN: C225.2 U18.34 Y3.1
XTAL-OUT: C224.2 U18.33 Y3.3
ZQ: R35.1 R38.1 U9.L8 U10.L8
  other v2: 126.86,139.694 126.86,150.362